# Altium PCB LimeNet-Micro_2v1.PcbDoc (part 7 of 11) (continued)
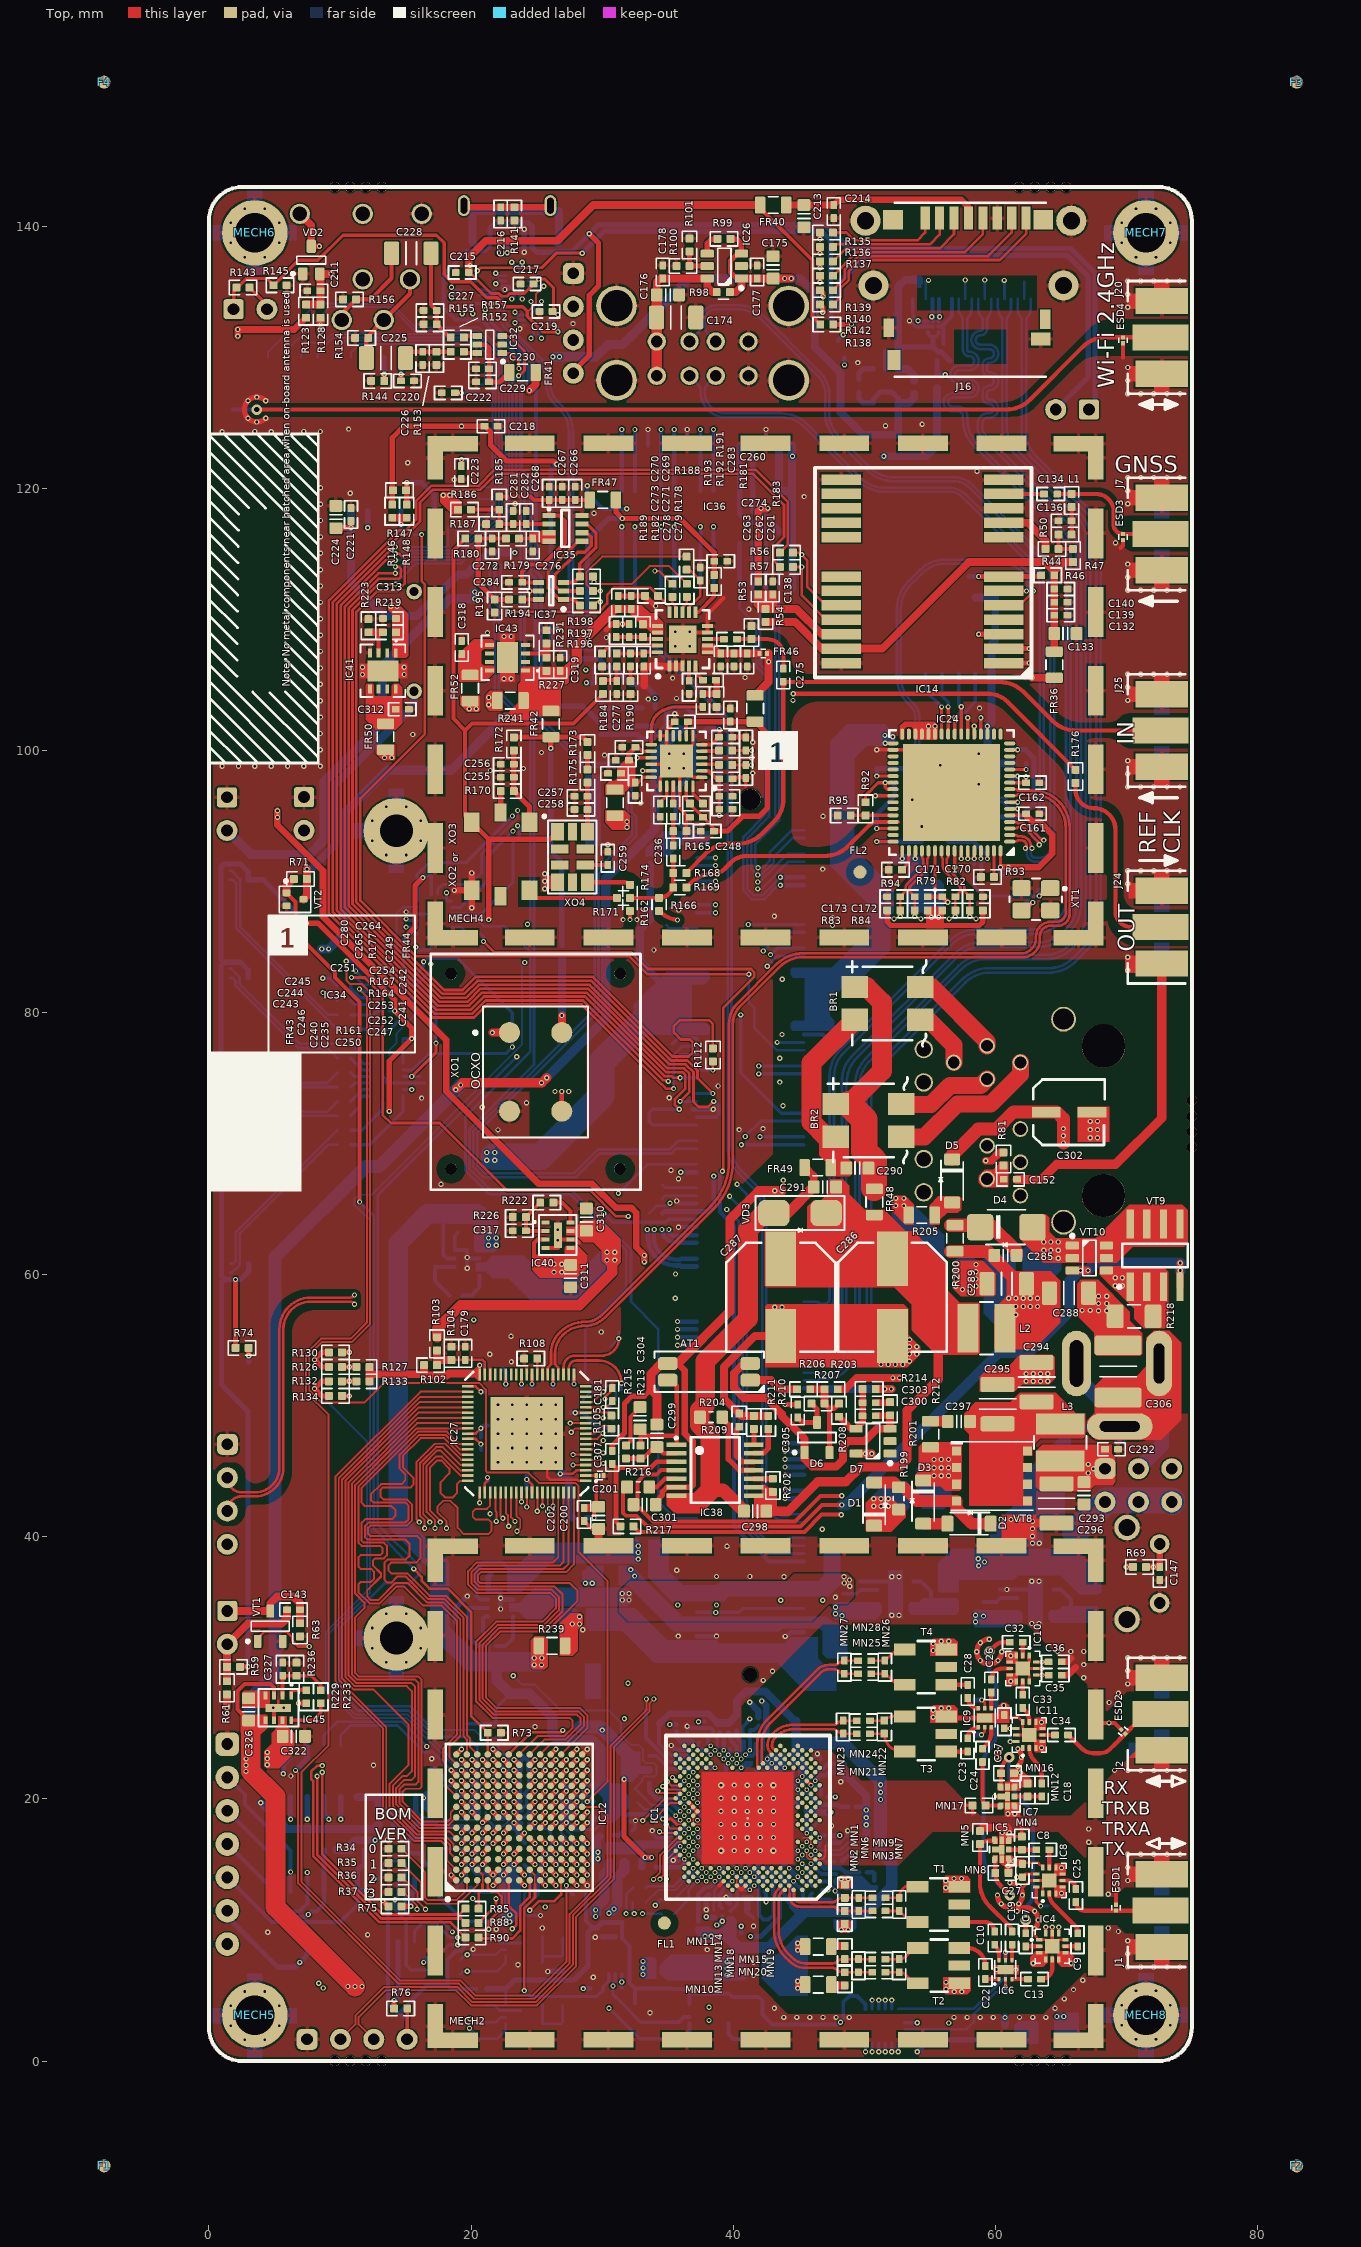
[diagram p0: Top view]
## Nets (pads, with @x,y where several pads share a name; then routed paths per layer and width w, separated by ;. In a path a pad name is that pad's centre, name@x,y a point inside that pad or via, vN(x,y) a via of type N, cw(c..) or ccw(c..) an arc to the next point about the centre after c; other vN are vias at no path point) (continued)
  Bottom w0.35: v2(44.937,21.379) 45.054,21.262 45.487,21.262 46.58,22.355 46.925,22.355 47.243,22.673 FR33.1@47.67,22.673
NetC95_1: C95.1 FR32.1 IC1.AF2 | length 1.7
  Bottom w0.35: v2(46.269,21.379) 46.699,21.809 47.079,21.809 C95.1@47.2,21.93 47.291,22.021 FR32.1@47.665,22.021
NetC96_1: C96.1 FR31.1 IC1.AD4 | length 3.8
  Bottom w0.35: v2(45.603,20.713) 45.603,20.537 46.571,19.569 47.979,19.569 C96.1@48.135,19.413 FR31.1@48.782,19.413
NetC97_1: C97.1 FR30.1 IC1.AN17 | length 2.3
  Bottom w0.3: v2(41.274,23.71) 41.274,25.199 41.325,25.25 41.605,25.25 FR30.1@41.95,25.595
NetC98_2: C98.2 J5.10 R32.2 R33.2 | length 3.8
  Bottom w0.6: J5.10@11.325,20.15 C98.2@12.875,20.15 12.925,20.1 R33.2@12.925,19.05 R32.2@14.025,19.05
NetC134_2: C134.2 IC14.11 | length 3.1
  Top w0.325: IC14.11@60.653,119.575 C134.2@63.728,119.575
NetC136_1: C136.1 L1.2 R50.2 | length 2.1
  Top w0.325: R50.2@65.828,116.475 C136.1@65.828,117.525 L1.2@65.828,118.575
NetC138_1: C138.1 IC14.22 R53.1 R54.1 | length 6.6
  Top w0.6: R54.1@42.465,110.8 44.836,110.8 46.761,108.875 IC14.22@48.253,108.875
NetC143_1: C143.1 J8.2 R59.2 R61.2 | length 8.9
  Top w0.6: R61.2@1.375,28.975 R59.2@1.375,30.075 J8.2@1.375,31.807 ; J8.2@1.4,31.807 2.968,33.375 5.525,33.375 5.95,33.8 C143.1@5.95,34.45
NetC143_2: C143.2 J8.1 R63.2 VT1.D | length 8.7
  Top w0.6: J8.1@1.4,34.347 1.422,34.325 VT1.D@4.675,34.325 4.675,34.925 5.2,35.45 6.45,35.45 6.95,34.95 C143.2@6.95,34.45 R63.2@6.95,33.55
  Bottom w0.6: J8.1@1.4,34.347 J8.1@1.875,34.822
NetC149_1: C149.1 C150.2 C151.1 IC24.15 IC24.38 | length 21.9
  Top w0.25: v1(50.95,98.05) IC24.38@52.2,98.05 ; IC24.15@61.1,100.05 v1(61.7,100.05)
  Bottom w0.35: v1(50.95,98.05) C149.1@50.95,98.625 ; C150.2@61.15,100.075 C151.1@62.25,100.075
  Bottom w0.4: C149.1@50.95,98.625 53.825,98.625 57.525,94.925 61.925,94.925 62.95,95.95 62.95,99.414 62.289,100.075 C151.1@62.25,100.075
NetC152_2: C152.2 J9.P2 R81.2
NetC153_1: C153.1 FR37.2 IC24.48 | length 4.7
  Top w0.25: v1(50.95,93.05) IC24.48@52.2,93.05
  Bottom w0.35: v1(50.95,93.05) FR37.2@54.4,93.05
NetC154_2: C154.2 FR37.1 IC24.62 | length 4.3
  Top w0.25: v1(59.4,91.75) IC24.62@59.4,92.35
  Bottom w0.35: FR37.1@56.4,93.05 58.35,93.05 C154.2@59.025,92.375 59.4,92 v1(59.4,91.75)
NetC167_2: C167.2 IC24.61 R86.1 XT1.1 | length 9.8
  Top w0.25: v1(58.9,91.75) IC24.61@58.9,92.35
  Top w0.325: v1(63.35,88.9) 63.95,89.5 XT1.1@64.2,89.5
  Bottom w0.25: v1(58.9,91.75) 58.925,91.725 58.925,90.625 R86.1@58.4,90.1 58.4,89.625 59.125,88.9 v1(63.35,88.9)
  Bottom w0.4: v1(63.35,88.9) C167.2@63.35,89.35
NetC168_2: C168.2 IC24.60 R86.2 XT1.3 | length 8.5
  Top w0.25: v1(58.4,91.75) IC24.60@58.4,92.35
  Top w0.325: XT1.3@62,87.8 62.25,87.8 v1(62.85,88.4)
  L4 w0.1: v1(58.4,91.75) 61.75,88.4 v1(62.85,88.4)
  Bottom w0.25: R86.2@58.4,91.275 v1(58.4,91.75)
  Bottom w0.4: C168.2@62.4,88.4 v1(62.85,88.4)
NetC203_1: C203.1 J13.4 J13.6 R109.1
NetC213_2: C213.2 C214.1 FR40.1 J16.4 | length 15.1
  Top w0.5: FR40.1@44.05,141.625 C213.2@45.4,141.625 C214.1@47.675,141.625 48.075,142.025 57.4,142.025 57.95,141.475 J16.4@57.95,140.625
NetC216_1: C216.1 J15.6 R141.1 | length 19.1
  Top w0.5: J15.6@19.45,141.025 J15.6@19.45,141.45 ; J15.6@19.45,141.5 J15.6@19.45,141.45 ; J15.6@26.05,141.075 J15.6@26.05,141.45 ; J15.6@26.05,141.5 J15.6@26.05,141.45 ; J15.6@19.45,141.45 C216.1@22.25,141.45 R141.1@23.3,141.45 J15.6@26.05,141.45
  Bottom w0.6: J15.6@20.2,138.725 20.1,138.825 20.1,141.175 26.7,141.175 26.7,138.825 J15.6@26.6,138.725
NetC225_2: C225.2 C226.1 R152.2 R153.2 | length 3.6
  Top w0.325: C225.2@15.006,129.95 15.481,130.425 C226.1@16.297,130.425 R152.2@18.447,130.425
NetC227_2: C227.2 C228.2 R155.1 R157.2 | length 7.1
  Top w0.325: C228.2@16.935,137.95 16.935,134.015 C227.2@17.375,133.575 R155.1@17.375,132.525 18.375,131.525 R157.2@18.447,131.525
NetC229_2: C229.2 C230.1 FR41.1 IC32.5 | length 5.4
  Top w0.35: IC32.5@20.572,130.975 21.122,130.975 21.372,130.725 C230.1@21.372,129.125
  Top w0.4: C230.1@21.372,129.125 C229.2@21.372,128.125 22.2,128.125 FR41.1@22.925,128.85
NetC235_1: C235.1 IC34.21 | length 1.7
  Top w0.325: C235.1@35.425,95.95 IC34.21@35.425,97.6
NetC235_2: C235.2 C236.1 R165.2 | length 2.2
  Top w0.325: C236.1@35.425,92.75 C235.2@35.425,94.95
NetC236_2: C236.2 R162.1 R166.1 R168.1 R169.1 R171.1 R174.2 | length 5.8
  Top w0.325: R174.2@32.125,88.75 34.325,88.75 ccw(c34.325,89.85) 35.425,89.85 C236.2@35.425,91.75
NetC237_2: C237.2 C238.2 C239.1 R163.2 XO1.4 | length 5.6
  Top w0.6: XO1.4@26.925,78.475 v1(26.925,79.775)
  Bottom w0.6: v1(26.925,79.775) C239.1@26.925,80.525 C237.2@26.925,81.525 C238.2@26.925,82.85 R163.2@26.925,84.125
NetC240_2: C240.2 IC34.20 | length 1.5
  Top w0.25: C240.2@34.375,96 34.925,96.55 IC34.20@34.925,97.275
NetC255_2: C255.2 C256.2 R170.2 R172.1 XO2.5 XO3.4 | length 6
  Top w0.4: R172.1@23.261,100 C256.2@23.261,98.95 C255.2@23.261,97.95 R170.2@23.261,96.9 24.45,95.711 XO3.4@24.45,94.525
NetC257_2: C257.2 C258.2 R175.2 XO4.9 | length 3.7
  Top w0.4: XO4.9@28.886,93.8 R175.2@28.886,97.55
NetC259_2: C259.2 XO4.7 | length 1.7
  Top w0.3: XO4.7@28.711,91.275 C259.2@30.436,91.275
NetC261_2: C261.2 C262.1 C263.1 FR46.2 IC36.6 IC36.7 | length 1.1
  Top w0.3: IC36.7@38.038,108 IC36.6@38.038,107.5 38.688,107.5
NetC264_1: C264.1 IC36.5 | length 1.3
  Top w0.3: IC36.5@37.138,106.45 37.138,105.925 C264.1@37.688,105.375
NetC264_2: C264.2 C265.1 R177.2 | length 2.1
  Top w0.5: C265.1@37.688,104.325 38.688,104.325 R177.2@38.738,104.325 38.738,105.325 C264.2@38.688,105.375
NetC266_2: C266.2 C267.1 C268.1 C284.1 FR47.1 IC35.1 IC37.4 R185.2 | length 17.5
  Top w0.3: R185.2@22.15,119.375 24.55,119.375 24.8,119.125 C268.1@25.95,119.125 ; IC37.4@25.15,112.825 C284.1@23.9,112.825 23.9,113.625 24.475,114.2 25.5,114.2 27.15,115.85 27.15,117.5 26.725,117.925 IC35.1@25.95,117.925 C268.1@25.95,119.125 ; FR47.1@29.05,119.125 C266.2@27.95,119.125 C267.1@26.95,119.125 C268.1@25.95,119.125
NetC271_2: C271.2 C273.1 IC36.18 R178.1 | length 3.2
  Top w0.3: C273.1@31.113,108.675 C271.2@32.113,108.675 ; C271.2@32.088,108.65 R178.1@33.113,108.65 33.263,108.5 IC36.18@34.238,108.5
NetC272_2: C272.2 R179.1 R180.2 R194.1 R195.1 | length 8.4
  Top w0.3: R180.2@20.55,116.175 R179.1@22.65,116.175
  Top w0.4: R180.2@20.55,116.175 20.55,112.775 R195.1@21.8,111.525 R194.1@22.9,111.525
NetC274_1: C274.1 C275.2 R183.2 | length 5.3
  Top w0.3: C274.1@40.288,108.5 41.35,108.5 42.625,108.5 cw(c42.625,107.3) 43.825,107.3 C275.2@43.825,106.25
NetC274_2: C274.2 IC36.8 | length 1.2
  Top w0.3: IC36.8@38.038,108.5 C274.2@39.288,108.5
NetC276_1: C276.1 IC35.3 IC35.4 R179.2 | length 1
  Top w0.3: R179.2@23.65,116.175 C276.1@24.7,116.175
NetC277_2: C277.2 R182.2 R184.1 | length 2.1
  Top w0.309: R184.1@30.038,105.375 30.967,105.375 cw(c30.967,105.204) C277.2@31.088,105.325 ; C277.2@31.088,105.35 R182.2@31.088,106.4
NetC278_1: C278.1 R190.2 | length 1.1
  Top w0.3: C278.1@32.163,106.4 32.163,105.35 R190.2@32.213,105.3
NetC278_2: C278.2 C279.2 IC36.20 R182.1 | length 3.2
  Top w0.3: R182.1@31.113,107.4 C278.2@32.163,107.4 C279.2@33.163,107.4 33.263,107.5 IC36.20@34.238,107.5
NetC280_1: C280.1 IC36.4 | length 1.1
  Top w0.3: C280.1@36.638,105.325 IC36.4@36.638,106.45
NetC283_2: C283.2 IC36.12 R191.2 | length 4.2
  Top w0.2: R191.2@36.45,113.8 36.675,113.8 C283.2@37.5,112.975 37.5,111.8 36.638,110.938 IC36.12@36.638,110.55
NetC285_1: C285.1 D4.C R200.1 | length 6.2
  Top w1: R200.1@56.6,63.775 R200.1@56.925,63.775 59.625,63.775 61.625,61.775 C285.1@61.625,61.475
NetC285_2: C285.2 C288.2 C289.2 L2.2 R200.2 T5.2 | length 6.1
  Top w1: R200.2@56.6,61.775 R200.2@56.925,61.775 59.374,61.775 61.745,59.404 61.745,59.4
  other v1: 61.575,56.95 61.575,57.575 62.125,57.575 62.675,57.575 63.225,57.575 61.025,58.2 61.575,58.2 62.125,58.2 62.675,58.2 63.225,58.2
NetC294_2: C294.2 C295.2 C297.1 L3.1 VT8.5 VT8.6 VT8.7 VT8.8
NetC297_2: C297.2 R201.2 | length 1.3
  Top w0.8: R201.2@55.1,48.825 56.35,48.825 C297.2@56.375,48.8
NetC300_1: C300.1 C303.1 D7.4 R208.1 R214.1 | length 4.9
  Top w0.5: R208.1@48.075,49.16 48.985,48.25 D7.4@49.375,48.25 49.875,48.75 C303.1@49.875,50.225 R214.1@49.875,51.275
NetC303_2: C303.2 R212.2 | length 1.1
  Top w0.5: C303.2@50.875,50.225 51.925,50.225 R212.2@51.975,50.275
NetC304_2: C304.2 R215.2 | length 3.4
  Top w0.3: R215.2@31.825,46.975 32.15,47.3 32.15,49.15 C304.2@32.9,49.9
NetC305_2: C305.2 D6.A/C R207.2 | length 3.2
  Top w0.4: C305.2@44.925,49.1 45.3,48.725 D6.A/C@46.4,48.725 46.4,49.735 R207.2@45.975,50.16
NetC312_2: C312.2 FR50.2 IC41.5 IC41.8
NetC314_2: C314.2 FR51.2 IC42.5 IC42.8 | length 4.4
  Bottom w0.3: IC42.5@53.75,36.593 54.316,36.593 55.08,35.829 C314.2@55.08,34.529 56.38,34.529 FR51.2@56.48,34.629
NetC316_1: C316.1 IC39.2 R221.1 R225.2 | length 4.1
  Bottom w0.3: R221.1@18.355,58.425 R225.2@17.255,59.525 C316.1@17.255,60.575 IC39.2@18.75,60.575
NetC317_1: C317.1 IC40.2 R222.1 R226.2 | length 4.1
  Top w0.3: R222.1@25.277,65.5 R226.2@24.177,64.4 C317.1@24.177,63.35 IC40.2@25.672,63.35
NetC318_2: C318.2 FR52.2 IC43.5 IC43.8
NetC320_2: C320.2 FR53.2 IC44.5 IC44.8 | length 4.4
  Bottom w0.3: IC44.5@64.433,35.975 64.999,35.975 65.763,35.211 C320.2@65.763,33.911 67.063,33.911 FR53.2@67.163,34.011
NetC327_1: C327.1 IC45.2 R233.1 R236.2 | length 5.1
  Top w0.3: IC45.2@5.625,27.9 C327.1@5.625,29.395 R236.2@6.675,29.395 7.805,29.395 8.525,28.675 R233.1@8.525,28.295
NetC328_1: C328.1 IC46.2 R234.1 R237.2 | length 5.1
  Bottom w0.3: R234.1@20.905,31.675 20.525,31.675 19.805,32.395 R237.2@19.805,33.525 C328.1@19.805,34.575 IC46.2@21.3,34.575
NetD1_A: D1.A D2.C R199.1 VT8.4 | length 10.6
  Top w0.9: D1.A@50.75,44.15 52.25,44.15 R199.1@52.625,43.775 53,43.775 54.035,42.74 VT8.4@57.05,42.74 57.05,42.15 58.2,41 D2.C@59.65,41
NetD1_C: D1.C R199.2 T5.6
  other v1: 50.73,42.325 51.28,42.325 51.83,42.325 50.73,42.9 51.28,42.9 51.83,42.9
NetD2_A: D2.A D3.A | length 1.9
  Top w0.9: D3.A@54.5,41.004 54.504,41 D2.A@56.35,41
NetD3_C: D3.C R201.1 T5.7 VT8.1 VT8.2 VT8.3
  other v1: 55.325,44.65 55.875,44.65 56.425,44.65 55.325,45.275 55.875,45.275 56.425,45.275 55.325,45.9 55.875,45.9 56.425,45.9
NetD4_A: D4.A T5.1 VT9.5 VT9.6 VT9.7 VT9.8 VT10.1 VT10.2 VT10.5 VT10.6
  other v1: 63.695,61.25 64.245,61.25 64.795,61.25 63.695,61.875 64.245,61.875 64.795,61.875 63.695,62.5 64.245,62.5 64.795,62.5
NetD5_A: D5.A R205.1
NetD6_C: D6.C R203.1 R206.1 R207.1 R208.2 | length 7
  Top w0.4: R207.1@46.975,50.16 47.35,49.785 ; D6.C@47.35,46.425 47.35,49.785 ; R208.2@48.075,50.16 47.7,49.785 47.35,49.785
  Top w0.6: R206.1@45.875,51.26 R203.1@46.975,51.26 R207.1@46.975,50.16
NetFR42_2: FR42.2 R163.1 R172.2 R173.1 | length 22
  Top w0.4: R172.2@23.261,101 23.286,101.025 FR42.2@26.086,101.025 ; v1(26.086,100.164) FR42.2@26.086,101.025 ; R173.1@28.886,100.65 28.511,101.025 FR42.2@26.086,101.025
  Bottom w0.4: v1(26.086,100.164) 26.086,92.314 26.925,91.475 R163.1@26.925,85.125
NetFR55_1: FR55.1 R238.2 R240.1
NetIC1_D28: IC1.D28 R9.1 | length 3
  Bottom w0.15: R9.1@35.532,12.299 35.532,12.363 36.797,13.628 36.797,13.844 37.023,14.07 37.594,14.07 v2(37.611,14.053)
NetIC1_F18: IC1.F18 R11.1 | length 2.2
  Bottom w0.25: v2(40.941,14.719) 41.179,14.957 41.179,15.454 41.562,15.836 41.562,16.569 R11.1@41.511,16.621
NetIC1_F28: IC1.F28 R8.1 | length 5.4
  Bottom w0.15: R8.1@33.331,12.105 34.269,13.044 35.572,13.044 36.609,14.081 36.897,14.369 37.261,14.369 v2(37.611,14.719)
NetIC1_F30: IC1.F30 R7.1 | length 4.2
  Bottom w0.2: R7.1@33.322,13.219 33.447,13.344 35.483,13.344 36.858,14.719 v2(36.945,14.719)
NetIC12_E5: IC12.E5 R29.2 | length 6.5
  Top w0.4: v1(21.672,16.594) IC12.E5@22.072,16.994
  Bottom w0.2: R29.2@18.925,13.17 18.925,13.281 19.672,14.028 19.672,15.184 19.881,15.394 20.238,15.394 20.472,15.628 20.472,16.76 20.706,16.994 21.285,16.994 21.672,16.607 v1(21.672,16.594)
NetIC12_E7: IC12.E7 R40.2 | length 7.6
  Top w0.4: v1(21.672,18.994) IC12.E7@22.072,18.594
  Bottom w0.2: v1(21.672,18.994) 22.072,19.394 22.072,19.96 22.306,20.194 22.638,20.194 22.872,20.428 22.872,23.16 22.638,23.394 22.256,23.394 22.072,23.578 22.072,24.544 R40.2@21.872,24.744
NetIC14_1: IC14.1 R55.2 | length 2.7
  Top w0.4: IC14.1@60.653,106.675 v1(62.581,106.675)
  Bottom w0.4: R55.2@61.831,106.675 v1(62.581,106.675)
NetIC14_2: IC14.2 R52.2 | length 2.7
  Top w0.4: IC14.2@60.653,107.775 v1(62.581,107.775)
  Bottom w0.4: R52.2@61.831,107.775 v1(62.581,107.775)
NetIC23_3: IC23.3 R76.2 | length 5.2
  Top w0.4: R76.2@14.125,4 v1@14.125,4.6
  Bottom w0.4: v1(14.125,4.625) 14.415,4.915 IC23.3@14.415,9.1
NetIC23_7: IC23.7 R75.2 | length 2.9
  Top w0.4: R75.2@14.7,11.8 v1(15.407,11.8)
  Bottom w0.4: v1(15.407,11.8) 15.407,12.707 15.685,12.985 IC23.7@15.685,13.9
NetIC24_20: IC24.20 R85.1 | length 164
  Top w0.2: v1@8.65,21.875 8.65,15.775 13.25,11.175 19.125,11.175 R85.1@19.575,11.625
  Top w0.25: IC24.20@58.9,101.25 v1(58.9,102.5)
  L3 w0.1: v1(8.65,22.025) 8.175,22.5 8.175,23.274 8.175,28.3 9.15,29.275 9.15,58.799 10.352,60 20.559,60 22.4,61.841 22.4,95.8 27.475,100.875 27.475,113.25 29.875,115.65 35.791,115.65 46.166,105.275 56.725,105.275 58.375,103.625 58.375,103.025 v1(58.9,102.5)
NetIC24_21: IC24.21 R88.1 | length 164.5
  Top w0.2: v1@8.25,21.675 8.25,15.751 13.126,10.875 19.225,10.875 R88.1@19.575,10.525
  Top w0.25: IC24.21@58.4,101.25 v1(58.4,101.85)
  L3 w0.1: v1(8.25,21.725) 8.3,21.675 8.795,21.675 9.025,21.905 9.025,22.794 8.575,23.244 8.575,28.134 9.55,29.109 9.55,58.633 10.517,59.6 20.725,59.6 22.8,61.675 22.8,95.634 27.875,100.709 27.875,113.084 30.041,115.25 35.625,115.25 46,104.875 56.559,104.875 57.975,103.459 57.975,103.07 57.55,102.645 57.55,102.35 58.05,101.85 v1(58.4,101.85)
NetIC24_22: IC24.22 R90.1 | length 165.2
  Top w0.2: v1(8.65,22.544) 8.269,22.544 7.8,22.075 7.8,21.519 7.95,21.369 7.95,15.626 13.001,10.575 18.425,10.575 R90.1@19.575,9.425
  Top w0.25: IC24.22@57.9,101.25 v1(57.9,102.5)
  L3 w0.1: v1@8.625,22.544 8.375,22.794 8.375,23.077 8.375,28.217 9.35,29.192 9.35,58.716 10.434,59.8 20.642,59.8 22.6,61.758 22.6,95.717 27.675,100.792 27.675,113.167 29.958,115.45 35.708,115.45 46.083,105.075 56.642,105.075 58.175,103.542 58.175,102.775 v1(57.9,102.5)
NetIC24_50: IC24.50 R94.1 | length 1.7
  Top w0.25: R94.1@52.875,90.9 53.4,91.425 IC24.50@53.4,92.35
NetIC24_63: IC24.63 R93.1 | length 2
  Top w0.25: R93.1@59.9,90.35 IC24.63@59.9,92.35
NetIC26_4: IC26.4 R99.2 | length 1.7
  Top w0.4: IC26.4@38.02,137.92 38.02,138.707 38.333,139.02 R99.2@38.82,139.02
NetIC26_5: IC26.5 R100.1 R101.1 | length 2.5
  Top w0.4: R101.1@36.67,138.07 R100.1@36.67,136.97 IC26.5@38.02,136.97
NetIC27_27: IC27.27 R108.2 | length 1.2
  Top w0.2: IC27.27@25.05,52.375 R108.2@25.05,53.6
NetIC28_10: IC28.10 R138.2 VT5.D | length 38.5
  Top w0.22: v1(20.475,136.6) 20.715,136.84 25.39,136.84 26.5,137.95 v1(28.475,137.95)
  Top w0.4: R138.2@47.638,132.513 v1(49.025,132.513)
  Bottom w0.22: IC28.10@20.325,135.8 20.325,136.45 v1(20.475,136.6)
  Bottom w0.4: v1(28.475,137.95) 30.15,139.625 34.017,139.625 46.75,139.625 47.453,138.922 47.453,132.947 47.887,132.513 VT5.D@48.493,132.513 v1(49.025,132.513)
NetIC30_9: IC30.9 R144.2 | length 1.8
  Top w0.4: R144.2@13.375,128.2 v1(13.375,128.705)
  Bottom w0.4: v1(13.375,128.705) IC30.9@13.375,129.99
NetIC30_23: IC30.23 R147.2 R148.2 | length 5.4
  Top w0.4: R148.2@15.085,118.76 v1(15.085,120.435)
  Bottom w0.4: v1(15.085,120.435) 16.24,120.435 17.185,119.49 IC30.23@17.185,118.29
NetIC30_25: IC30.25 R146.2 R148.1 R149.2 | length 3.4
  Top w0.4: v1(14.645,117.255) 14.645,117.76
  Top w0.6: R146.2@13.985,117.76 R148.1@15.085,117.76
  Bottom w0.4: IC30.25@14.645,118.29 v1(14.645,117.255) 14.645,116.48 R149.2@14.65,116.475
NetIC32_4: IC32.4 R157.1 | length 1.2
  Top w0.325: R157.1@19.447,131.525 19.547,131.625 IC32.4@20.572,131.625
NetIC32_6: IC32.6 R152.1 | length 1.2
  Top w0.325: R152.1@19.447,130.425 19.547,130.325 IC32.6@20.572,130.325
NetIC33_4: IC33.4 R159.2 | length 1.7
  Bottom w0.4: R159.2@49.6,128.325 49.6,128.812 49.913,129.125 IC33.4@50.7,129.125
NetIC33_5: IC33.5 R160.1 | length 1.4
  Bottom w0.4: IC33.5@51.65,129.125 R160.1@51.65,130.475
NetIC34_3: IC34.3 R164.2 | length 1.3
  Top w0.3: IC34.3@37.6,98.95 38.875,98.95 R164.2@38.925,98.9
NetIC34_5: IC34.5 R167.2 | length 1.3
  Top w0.3: IC34.5@37.6,99.95 38.875,99.95 R167.2@38.925,100
NetIC34_24: IC34.24 R161.1 | length 1.6
  Top w0.25: IC34.24@36.925,97.275 36.925,96.725 R161.1@37.7,95.95
NetIC36_11: IC36.11 R181.1 | length 2.6
  Top w0.3: IC36.11@37.138,110.55 37.338,110.55 38.55,111.762 R181.1@38.55,112.4
NetIC36_13: IC36.13 R192.2 | length 1.3
  Top w0.2: IC36.13@36.138,110.55 36.138,110.913 36.463,111.238 R192.2@36.463,111.725
NetIC36_14: IC36.14 R193.2 | length 1.3
  Top w0.2: R193.2@35.363,111.725 35.363,111.237 35.638,110.962 IC36.14@35.638,110.55
NetIC36_19: IC36.19 R189.1 | length 4.5
  Top w0.3: R189.1@30.013,107.45 30.563,108 IC36.19@34.238,108
NetIC37_6: IC37.6 R194.2 | length 1.3
  Top w0.3: R194.2@23.9,111.525 IC37.6@25.15,111.525
NetIC38_10: IC38.10 R202.1 | length 1.5
  Top w0.4: IC38.10@41.579,44.436 43.014,44.436 R202.1@43.025,44.425
NetIC38_11: IC38.11 R204.1 | length 5.7
  Top w0.4: R204.1@39.117,49.083 39.625,48.575 39.625,45.925 40.464,45.086 IC38.11@41.579,45.086
NetIC38_12: IC38.12 R209.2 | length 3.8
  Top w0.4: R209.2@40.464,48.4 40.225,48.161 40.225,46.2 40.689,45.736 IC38.12@41.579,45.736
NetIC38_13: IC38.13 R210.1 | length 2.7
  Top w0.4: IC38.13@41.579,46.386 42.311,46.386 42.675,46.75 R210.1@42.675,48.225
NetIC38_14: IC38.14 R211.1 | length 1.2
  Top w0.4: IC38.14@41.579,47.036 R211.1@41.579,48.225
NetIC39_8: IC39.8 R221.2 | length 2.4
  Bottom w0.3: R221.2@19.355,58.425 20.025,58.425 20.65,59.05 IC39.8@20.65,59.925
NetIC40_8: IC40.8 R222.2 | length 2.4
  Top w0.3: R222.2@26.277,65.5 26.947,65.5 27.572,64.875 IC40.8@27.572,64
NetIC41_3: IC41.3 R219.1 R223.1 | length 2.6
  Top w0.3: IC41.3@12.95,107.45 12.95,108.976
  Top w0.6: R223.1@12.168,109.025 R219.1@13.268,109.025
NetIC42_3: IC42.3 R220.1 R224.2 | length 2.7
  Bottom w0.3: R220.1@48.405,35.654 49.405,35.654 R224.2@49.505,35.754 49.694,35.943 IC42.3@51,35.943
NetIC43_3: IC43.3 R227.1 R231.1 | length 2.7
  Top w0.3: IC43.3@24.155,107.414 25.75,107.414
  Top w0.6: R227.1@25.75,107.075 25.75,107.414 R231.1@25.75,108.175
NetIC44_3: IC44.3 R228.2 R232.2 | length 2.7
  Bottom w0.3: R228.2@59.088,35.036 60.088,35.036 R232.2@60.188,35.136 60.377,35.325 IC44.3@61.683,35.325
NetIC45_1: IC45.1 R229.2 | length 1.5
  Top w0.3: IC45.1@6.275,27.9 6.275,28.145 6.425,28.295 R229.2@7.425,28.295
NetIC45_8: IC45.8 R233.2 | length 3.2
  Top w0.3: IC45.8@6.275,26 7.95,26 8.525,26.575 R233.2@8.525,27.295
NetIC46_1: IC46.1 R230.2 | length 1.5
  Bottom w0.3: R230.2@20.905,32.775 20.905,33.775 21.055,33.925 IC46.1@21.3,33.925
NetIC46_8: IC46.8 R234.2 | length 3.2
  Bottom w0.3: R234.2@21.905,31.675 22.625,31.675 23.2,32.25 IC46.8@23.2,33.925
NetJ9_P7: J9.P7 R87.2 | length 197.7
  L4 w0.1: v1(8.7,81.525) 9.675,82.5 9.675,87.324 5.875,91.124 5.875,97.092 6.408,97.625 9.075,97.625 9.675,98.225 9.675,124.858 3.026,131.506 3.026,134.451 7.8,139.225 25.525,139.225 26.175,139.875 47,139.875 48.525,138.35 51.275,138.35 56.15,133.475 56.15,131.275 66.831,120.594 66.831,90.921 53.5,77.591 53.5,67.33 J9.P7@54.545,66.285
  Bottom w0.25: v1(8.7,81.525) 9.208,81.525 R87.2@9.808,80.925
NetJ9_P13: J9.P13 R89.2 | length 188.1
  L4 w0.1: v1(8.675,82.625) 9.475,83.425 9.475,87.241 5.675,91.041 5.675,97.175 6.325,97.825 8.992,97.825 9.475,98.308 9.475,124.775 2.826,131.424 2.826,134.534 7.717,139.425 25.442,139.425 26.092,140.075 47.083,140.075 48.608,138.55 51.358,138.55 56.35,133.558 56.35,131.358 67.031,120.677 67.031,90.839 55.575,79.383 55.575,75.705 J9.P13@54.545,74.675
  Bottom w0.25: v1(8.675,82.625) 9.207,82.625 R89.2@9.807,82.025
NetJ13_28: J13.28 R110.2 | length 2.4
  Bottom w0.2: R110.2@34.9,86.675 35.15,86.425 J13.28@37.2,86.425
NetJ13_30: J13.30 R111.2 | length 2.4
  Bottom w0.2: R111.2@34.9,85.575 35.15,85.825 J13.30@37.2,85.825
NetJ13_52: J13.52 R112.1 | length 1.9
  Top w0.2: v1(38.45,75.625) R112.1@38.45,76.275
  Bottom w0.25: J13.52@37.2,75.625 v1(38.45,75.625)
NetJ13_82: J13.82 R115.2 | length 2.7
  Bottom w0.2: R115.2@34.575,66.875 34.825,66.625 J13.82@37.2,66.625
NetJ13_84: J13.84 R116.2 | length 2.7
  Bottom w0.2: R116.2@34.575,65.775 34.825,66.025 J13.84@37.2,66.025
NetJ13_168: J13.168 R113.2 | length 2.4
  Bottom w0.2: R113.2@34.825,40.825 J13.168@37.2,40.825
NetJ13_177: J13.177 R114.1 | length 72.5
  Top w0.2: v1(20.95,85.425) 21.775,84.6 32.212,84.6 33.487,83.325 41.366,83.325 41.6,83.091 41.6,82.725 39.25,80.375 39.25,67.975 v1(39.175,67.9)
  Bottom w0.2: R114.1@20.75,86 20.95,85.8 v1(20.95,85.425)
  Bottom w0.3: v1(39.175,67.9) 39,67.725 39,64.8 40.075,63.725 40.075,40.8 42.75,38.125 J13.177@45.4,38.125
NetJ16_1: J16.1 R135.2 | length 8.6
  Top w0.2: R135.2@47.625,139.525 48.65,139.525 49.25,138.925 54.05,138.925 54.65,139.525 J16.1@54.65,140.625
NetJ16_2: J16.2 R136.2 | length 9.8
  Top w0.2: R136.2@47.625,138.425 47.825,138.625 55.005,138.625 55.75,139.37 J16.2@55.75,140.625
NetJ16_3: J16.3 R137.2 | length 11.3
  Top w0.2: R137.2@47.625,137.325 48.625,138.325 55.775,138.325 56.85,139.4 J16.3@56.85,140.625
NetJ16_5: J16.5 R139.2 | length 14
  Top w0.2: R139.2@47.625,136.225 49.425,138.025 57.68,138.025 59.05,139.395 J16.5@59.05,140.625
NetJ16_7: J16.7 R140.2 | length 16.9
  Top w0.2: R140.2@47.625,135.125 48.525,136.025 48.525,136.7 49.549,137.725 59.455,137.725 61.25,139.52 J16.7@61.25,140.625
NetJ16_8: J16.8 R142.2 | length 19
  Top w0.2: R142.2@47.625,134.025 48.2,134.6 48.2,135.275 48.825,135.9 48.825,136.576 49.674,137.425 60.35,137.425 62.35,139.425 J16.8@62.35,140.625
NetJ24_1: J24.1 R176.1 | length 15.7
  Top w0.325: R176.1@66.125,97.525 66.125,97 ccw(c67.525,97) 67.525,95.6 cw(c67.525,93.953) 69.172,93.953 69.172,87.725 ccw(c70.372,87.725) 70.372,86.525 J24.1@72.6,86.525
NetLED1_3: LED1.3 R58.1 | length 13.7
  Bottom w0.2: LED1.3@1.625,60.837 1.837,60.837 2.05,61.05 2.05,63.275 R58.1@9.8,71.025
NetLED1_4: LED1.4 R60.1 | length 13.6
  Bottom w0.2: LED1.4@1.625,60.137 1.729,60.137 2.35,60.759 2.35,63.15 9.125,69.925 R60.1@9.8,69.925
NetLED2_3: LED2.3 R62.1 | length 10.4
  Bottom w0.2: LED2.3@1.625,68.337 1.837,68.337 2.05,68.55 2.05,68.925 5.55,72.425 9.008,72.425 R62.1@9.808,73.225
NetLED2_4: LED2.4 R64.1 | length 10.3
  Bottom w0.2: LED2.4@1.625,67.637 1.729,67.637 2.35,68.259 2.35,68.775 5.7,72.125 R64.1@9.8,72.125
NetLED3_3: LED3.3 R65.1 | length 9.3
  Bottom w0.2: LED3.3@1.6,75.837 1.704,75.837 2.325,75.216 2.325,74.774 2.474,74.625 9.008,74.625 R65.1@9.808,75.425
NetLED3_4: LED3.4 R66.1 | length 8.7
  Bottom w0.2: LED3.4@1.6,75.137 1.812,75.137 2.025,74.925 2.025,74.65 2.35,74.325 R66.1@9.808,74.325
NetLED4_3: LED4.3 R67.1 | length 10.9
  Bottom w0.2: LED4.3@1.6,83.337 1.704,83.337 2.325,82.716 2.325,82.2 6.9,77.625 R67.1@9.808,77.625
NetLED4_4: LED4.4 R68.1 | length 11
  Bottom w0.2: LED4.4@1.6,82.637 1.812,82.637 2.025,82.425 2.025,82.05 6.775,77.3 9.03,77.3 R68.1@9.805,76.525
NetLED5_3: LED5.3 R70.1 | length 14.9
  Bottom w0.2: LED5.3@1.6,90.837 1.704,90.837 2.375,90.166 2.375,86.582 9.132,79.825 R70.1@9.808,79.825
NetLED5_4: LED5.4 R72.1 | length 14.9
  Bottom w0.2: LED5.4@1.6,90.137 1.812,90.137 2.075,89.875 2.075,86.458 R72.1@9.808,78.725
NetLED6_1: LED6.1 R74.2 | length 1.1
  Top w0.4: v1(3.025,53.825) R74.2@3.025,54.412
  Bottom w0.4: LED6.1@3.025,53.337 v1(3.025,53.825)
NetLS1_2: LS1.2 R71.2 VT2.D | length 19.6
  Top w0.6: VT2.D@7.205,88.639 7.475,88.909 v1(7.475,90.95) ; LS1.2@15.646,104.529 LS1.2@15.65,104.525
  Bottom w0.6: v1(7.475,90.95) 7.775,90.95 9.6,92.775 9.6,97.389 15.65,103.439 LS1.2@15.65,104.525
NetMN10_1: MN10.1 MN13.2 | length 1
  Top w0.6: MN10.1@47.54,5.774 MN13.2@48.511,5.774
NetMN11_1: MN11.1 MN14.2 | length 1
  Top w0.6: MN11.1@47.536,8.774 MN14.2@48.511,8.774
NetR44_1: R44.1 R47.2 R50.1 | length 2.2
  Top w0.325: R50.1@64.828,116.475 R44.1@64.828,115.375 R47.2@65.928,115.375
NetR124_2: R124.2 R129.2 VT3.S VT4.D | length 4.3
  Bottom w0.4: VT4.D@29.9,103.93 29.9,103.675 30.34,103.235 30.395,103.235 ; VT3.S@30.395,102.508 30.395,103.235 ; R124.2@33.035,103.235 R129.2@31.935,103.235 30.395,103.235
NetR162_2: R162.2 XO1.3 | length 17
  Top w0.325: XO1.3@26.925,72.475 v1(26.925,73.984) ; v1(32.125,87.1) R162.2@32.125,87.75
  L3 w0.1: v1(26.925,73.984) 26.925,75.373 cw(c29.465,75.373) 27.669,77.169 28.581,78.081 ccw(c26.785,79.877) 29.325,79.877 29.325,82.148 cw(c31.865,82.148) 30.069,83.944 31.381,85.256 ccw(c29.585,87.052) 32.125,87.052 v1(32.125,87.1)
NetR170_1: R170.1 XO2.6 | length 1.6
  Top w0.4: XO2.6@22.25,95.275 22.261,95.286 R170.1@22.261,96.9
NetR171_2: R171.2 XO2.4 XO3.3 | length 6.6
  Top w0.325: XO3.3@24.5,88.75 R171.2@31.125,88.75
NetR173_2: R173.2 R175.1 | length 1.1
  Top w0.4: R175.1@28.886,98.55 R173.2@28.886,99.65
NetR174_1: R174.1 XO4.6 | length 3.3
  Top w0.325: XO4.6@28.886,89.95 31.642,89.95 cw(c31.642,89.267) R174.1@32.125,89.75
NetR205_2: R205.2 T5.4
  other v1: 52.4,65.273 53.025,65.273 52.4,65.823 53.025,65.823
NetR216_1: R216.1 VT9.4 VT10.3 | length 57.1
  Top w0.3: R216.1@31.59,43.915 31.59,41.83 31.814,41.605 32.632,41.605 33.463,40.775 45.125,40.775 46.775,42.425 v1(48.275,42.425)
  Top w0.55: VT9.4@74.105,59.075 v1(74.105,60.32) v1(74.105,60.895)
  Bottom w0.55: v1@66.475,60.325 v1(66.5,60.325)
  Bottom w0.8: v1(48.275,42.425) 48.641,42.425 60.266,54.05 62.55,54.05 65.625,57.125 65.625,59.475 v1@66.475,60.325 ; v1(66.5,60.325) v1(67.075,60.325) 67.645,60.895 v1(74.105,60.895) v1(74.105,60.32)
NetR217_2: R217.2 R218.1 VT9.1 VT9.2 VT9.3 VT10.4 | length 46.6
  Top w0.3: R217.2@32.387,40.8 32.812,40.375 45.425,40.375 46.738,41.688 v1(48.254,41.688)
  L4 w0.6: v1(48.254,41.688) 49.013,41.688 49.475,42.15 49.475,42.92 54.458,47.903 56.628,47.903 65.025,56.3 68.993,56.3 69.425,56.732 69.425,58.925
  other v1: 69.15,59.15 69.7,59.15 69.15,59.775 69.7,59.775
POE1_DC+: BR1.2 J9.P10 | length 7.1
  Top w1.3: BR1.2@54.275,81.95 55.2,81.95 59.375,77.775 J9.P10@59.375,77.465
POE1_DC-: BR1.4 J9.P11 | length 4.7
  Top w1.3: BR1.4@54.275,79.45 54.9,79.45 56.835,77.515 J9.P11@56.835,76.195
POE2_DC+: BR2.2 J9.P8 | length 7.2
  Top w1.3: BR2.2@52.931,73 55.103,73 56.528,74.425 58.875,74.425 J9.P8@59.375,74.925
POE2_DC-: BR2.4 J9.P9 | length 11.9
  Top w1.3: BR2.4@52.931,70.5 54.583,70.5 57.108,73.025 59.65,73.025 61.915,75.29 J9.P9@61.915,76.195
POE_CS: C307.1 IC38.3 R217.1 | length 9.9
  Top w0.35: C307.1@30.728,45.604 31.058,45.275 ; R217.1@31.387,40.8 31.058,41.129 31.058,45.275 ; IC38.3@35.679,45.736 34.161,45.736 33.7,45.275 31.058,45.275
POE_CTL: AT1.4 C304.1 IC38.1 R213.2 | length 9.1
  Top w0.35: R213.2@32.938,46.975 32.938,47.7 35.679,47.7 ; IC38.1@35.164,47.036 IC38.1@35.679,47.036 35.679,47.7 ; AT1.4@35.25,51.955 35.679,51.526 35.679,47.7
POE_GATE: IC38.5 R216.2 | length 2.4
  Top w0.35: R216.2@33.575,43.8 34.162,43.8 34.798,44.436 IC38.5@35.679,44.436